# Altium PCB mppt.PcbDoc (part 1 of 5) (continued)
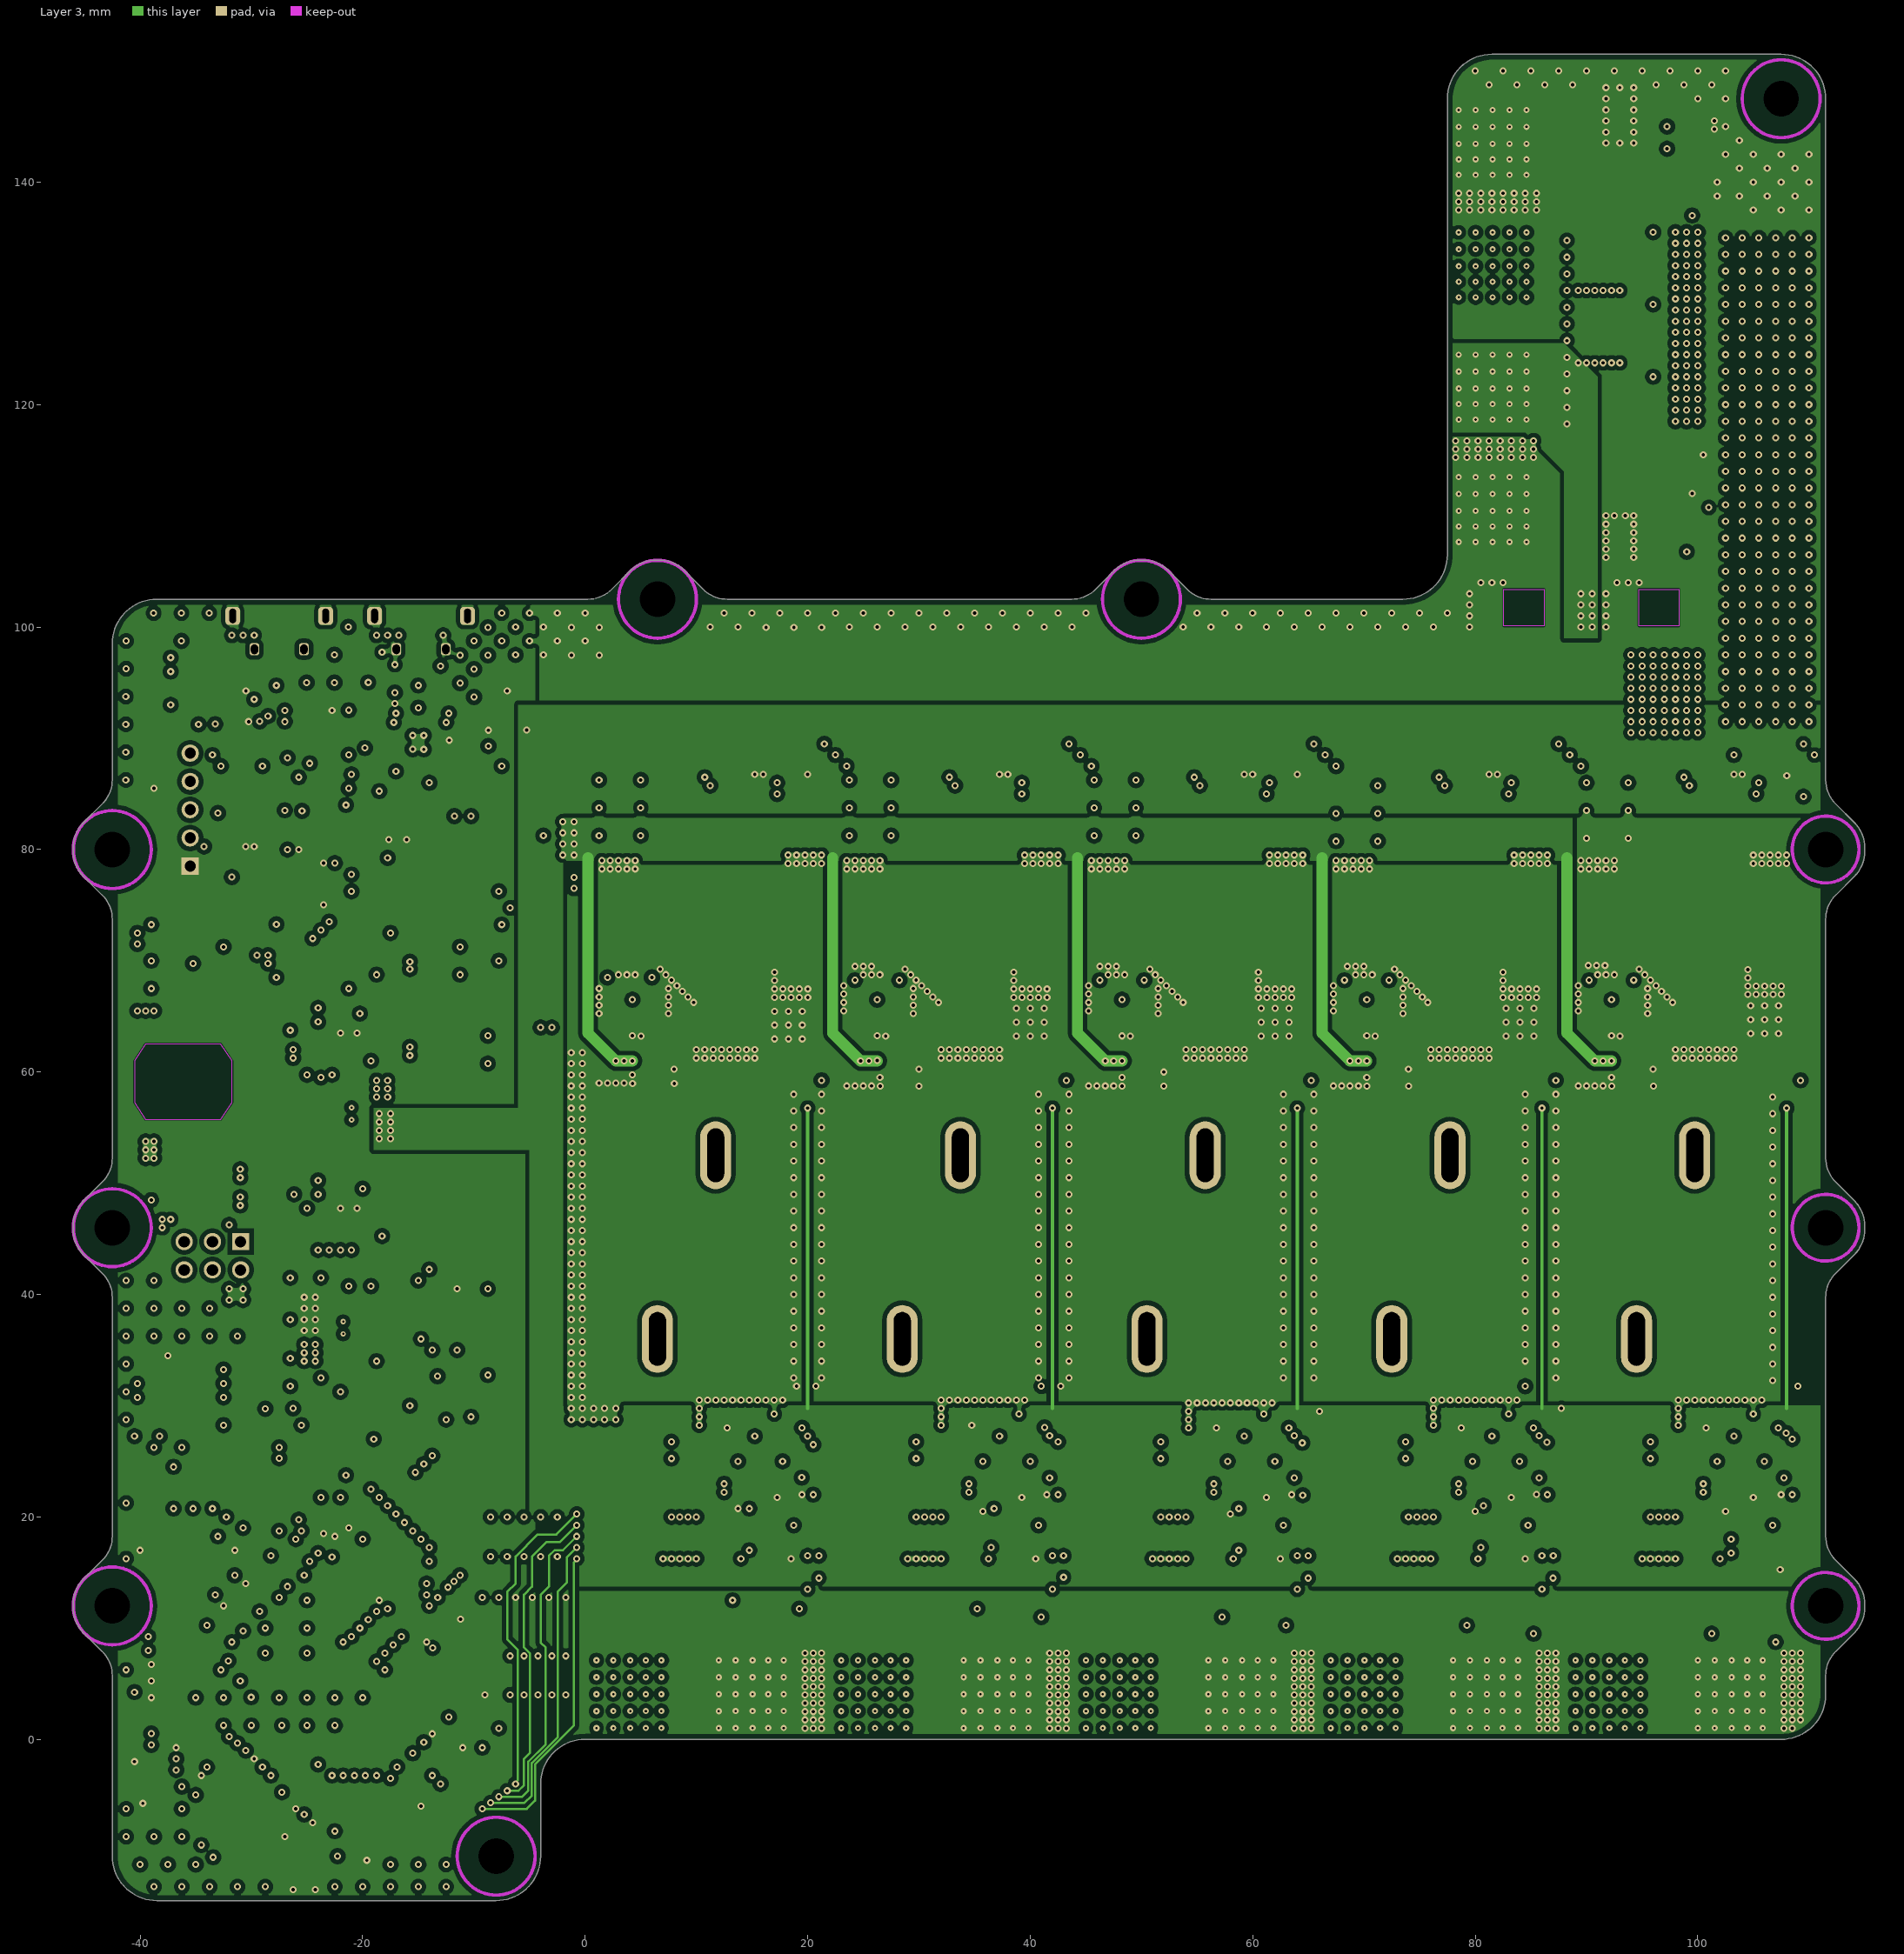
[diagram p4: Layer 3]
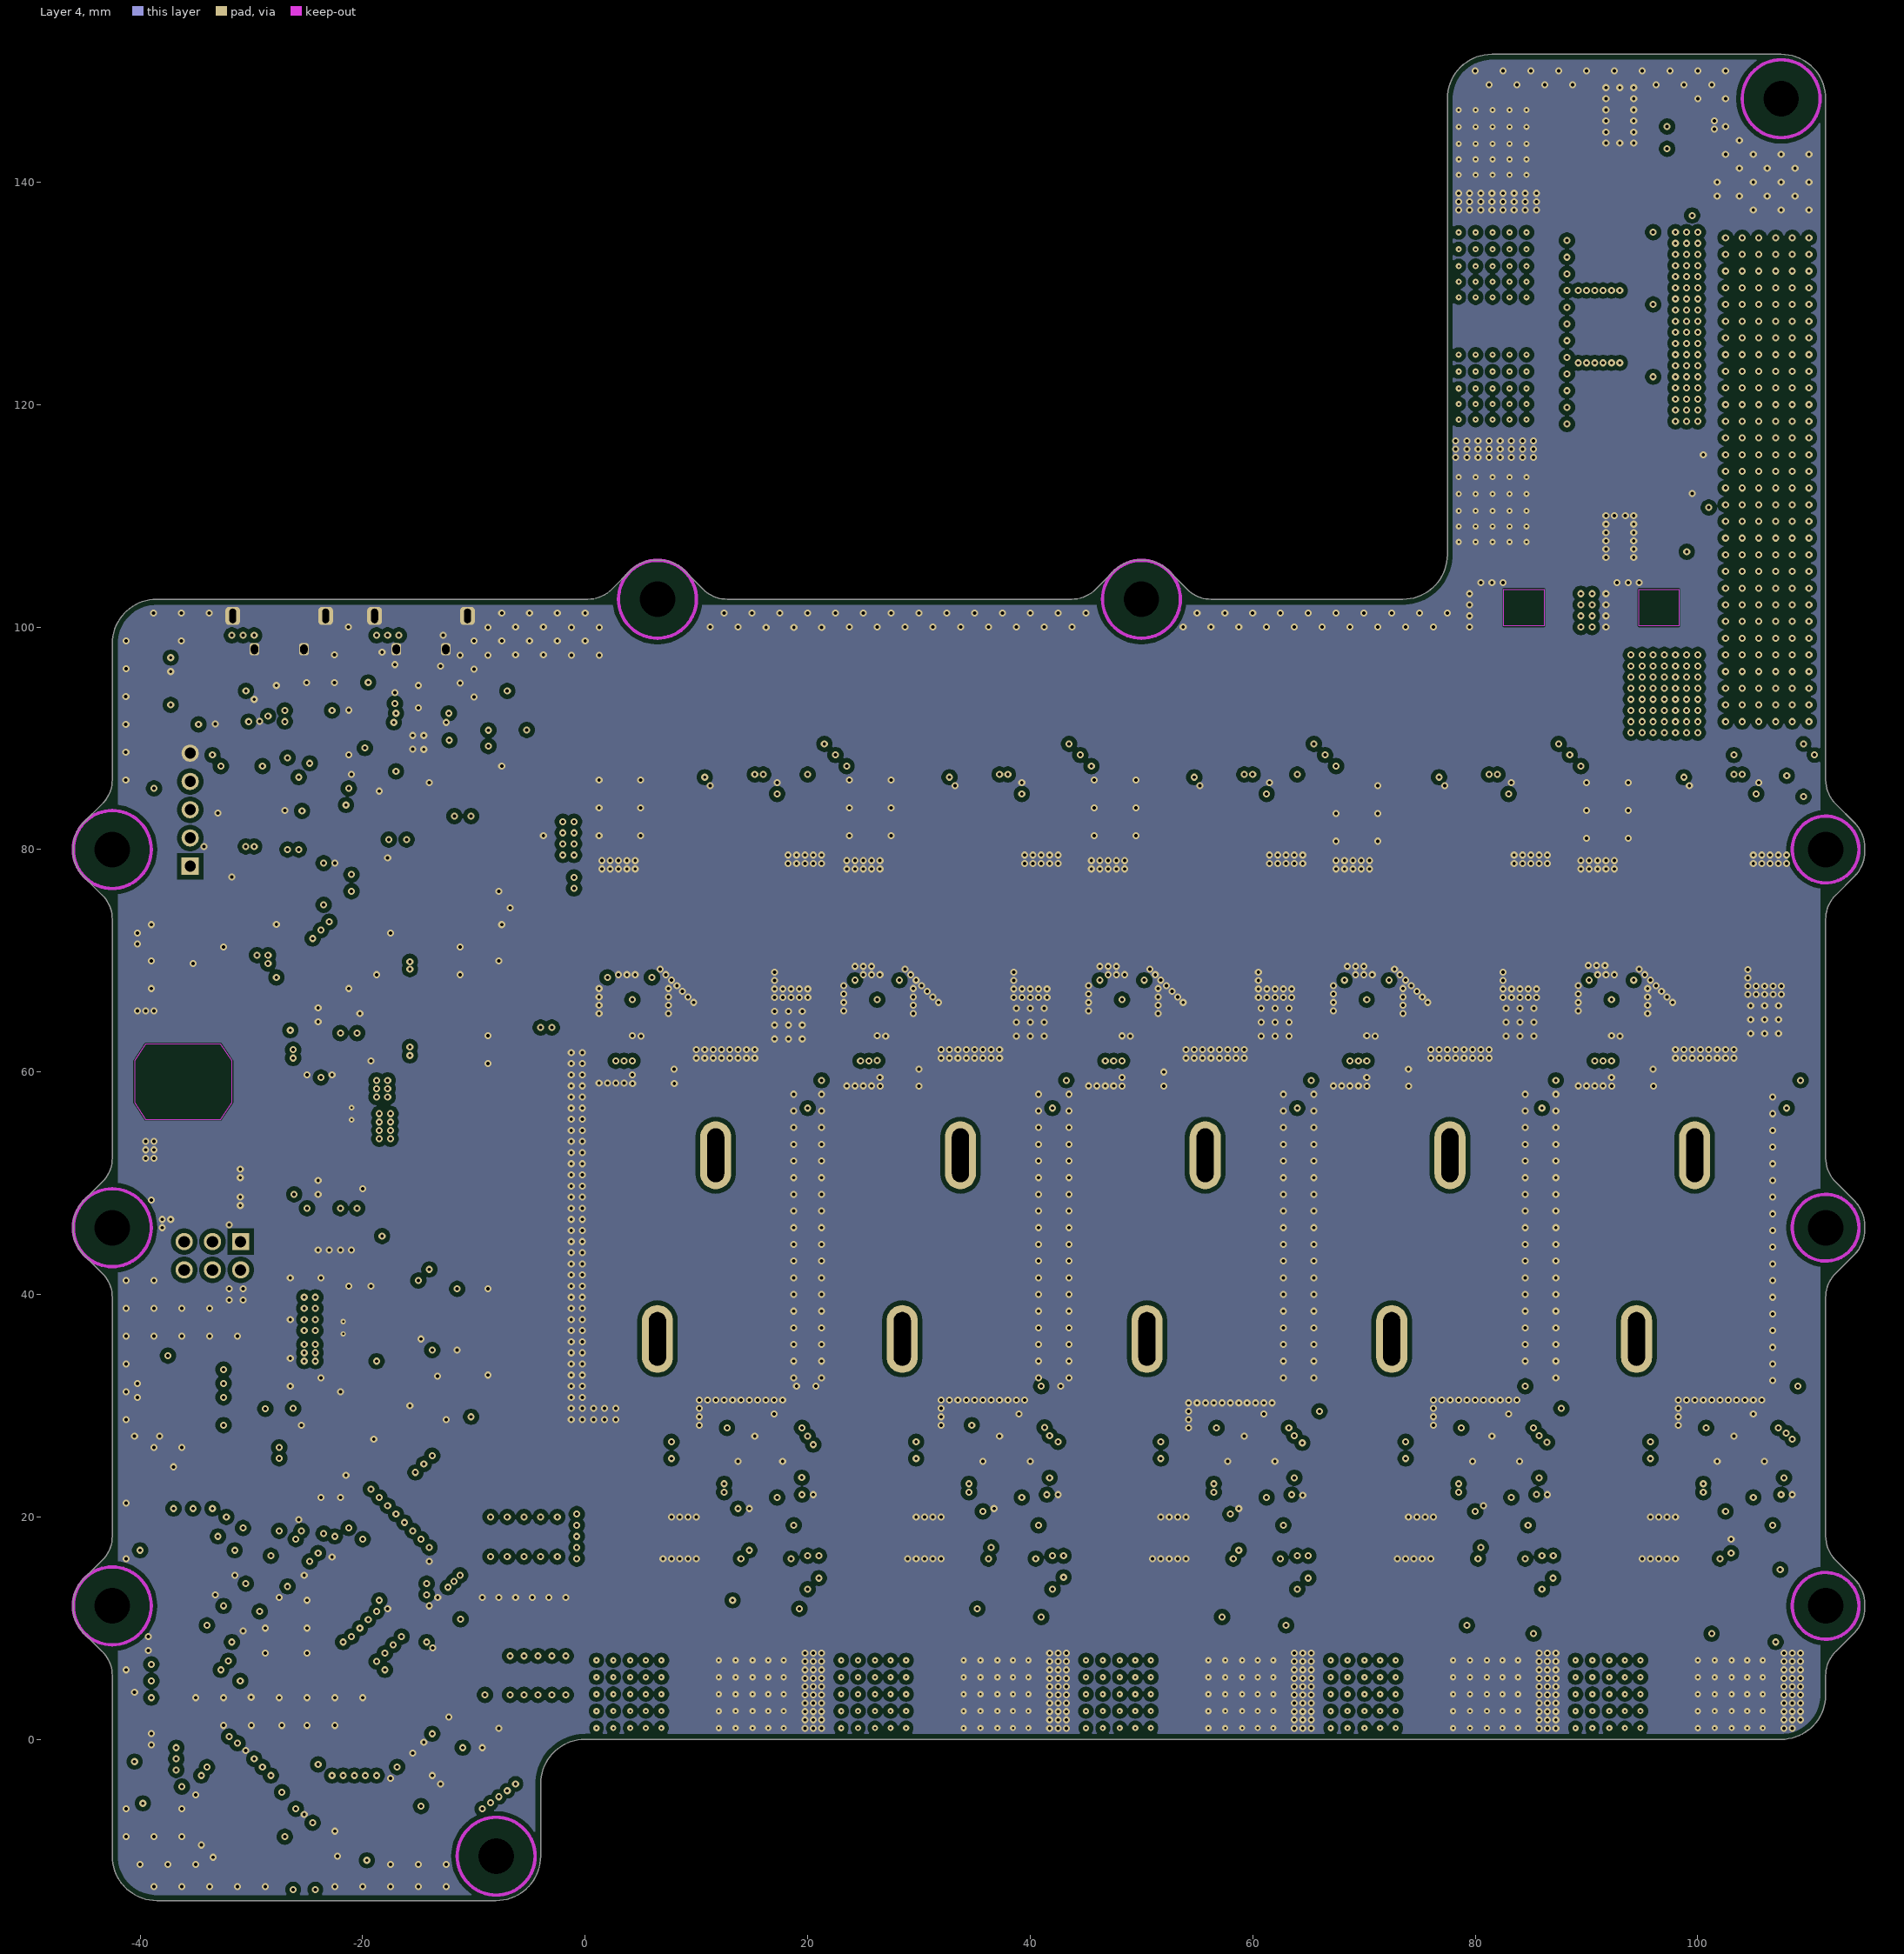
[diagram p5: Layer 4]
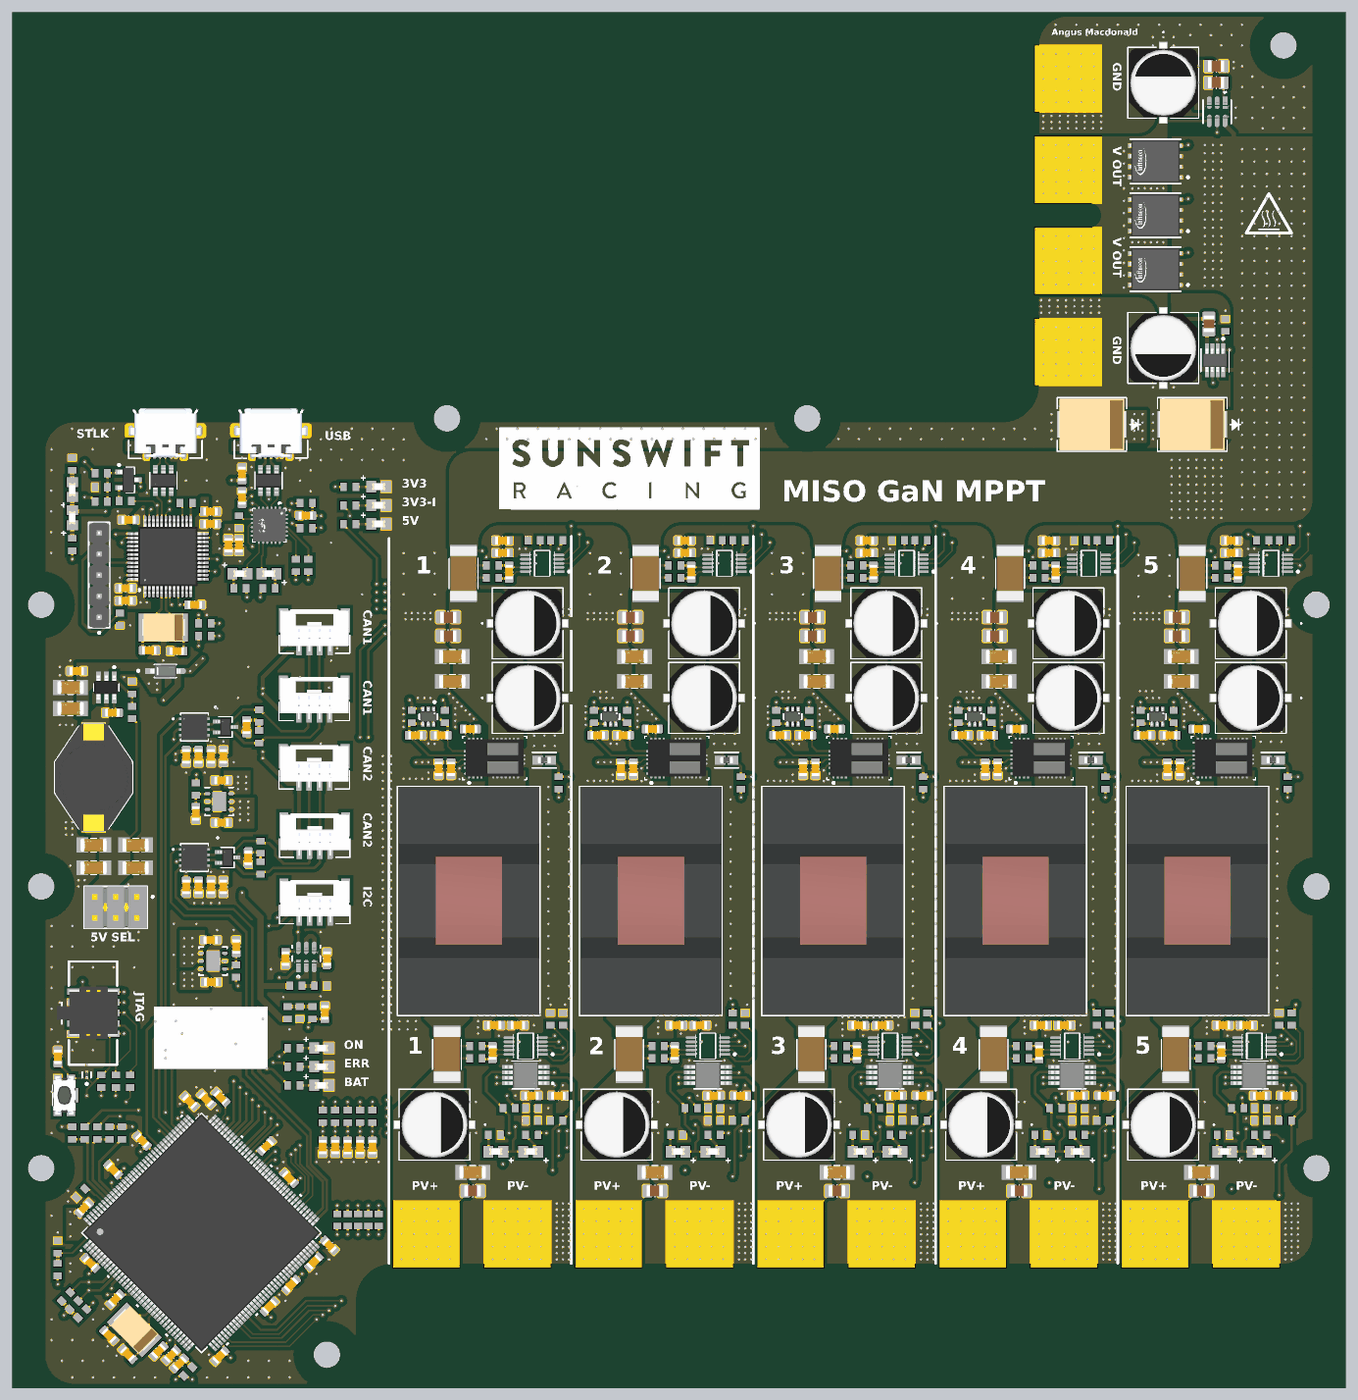
[diagram p10: 3D render of the assembled board from above, using the file's embedded part models]

## Layer stack, top to bottom
Top Solder: solder mask 0.0102, Solder Resist, Dk 3.5
Top Layer: signal copper 0.07
Dielectric 2: prepreg 0.0711, PP-006, Dk 4.1
Layer 1: signal copper 0.0175
Dielectric 4: prepreg 0.0711, PP-006, Dk 4.1
Layer 2: signal copper 0.0175
Dielectric 1: dielectric 0.32, FR-4, Dk 4.8
Layer 3: signal copper 0.0175
Dielectric 5: prepreg 0.0711, PP-006, Dk 4.1
Layer 4: signal copper 0.0175
Dielectric 3: prepreg 0.0711, PP-006, Dk 4.1
Bottom Layer: signal copper 0.07
Bottom Solder: solder mask 0.0102, Solder Resist, Dk 3.5

## Board outline
-45.102,9.602 cw(c-42.934,11.77) -46,11.77 -46,12.23 cw(c-42.934,12.23) -45.102,14.398 -43.398,16.102 ccw(c-45.566,18.27) -42.5,18.27 -42.5,39.73 ccw(c-45.566,39.73) -43.398,41.898 -45.102,43.602 cw(c-42.934,45.77) -46,45.77 -46,46.23 cw(c-42.934,46.23) -45.102,48.398 -43.398,50.102 ccw(c-45.566,52.27) -42.5,52.27 -42.5,73.73 ccw(c-45.566,73.73) -43.398,75.898 -45.102,77.602 cw(c-42.934,79.77) -46,79.77 -46,80.23 cw(c-42.934,80.23) -45.102,82.398 -43.398,84.102 ccw(c-45.566,86.27) -42.5,86.27 -42.5,98.5 cw(c-38.5,98.5) -38.5,102.5 -1,102.5 0.23,102.5 ccw(c0.23,105.566) 2.398,103.398 4.102,105.102 cw(c6.27,102.934) 6.27,106 6.73,106 cw(c6.73,102.934) 8.898,105.102 10.602,103.398 ccw(c12.77,105.566) 12.77,102.5 43.73,102.5 ccw(c43.73,105.566) 45.898,103.398 47.602,105.102 cw(c49.77,102.934) 49.77,106 50.23,106 cw(c50.23,102.934) 52.398,105.102 54.102,103.398 ccw(c56.27,105.566) 56.27,102.5 73.5,102.5 ccw(c73.5,106.5) 77.5,106.5 77.5,147.5 cw(c81.5,147.5) 81.5,151.5 107.5,151.5 cw(c107.5,147.5) 111.5,147.5 111.5,87.5 111.5,86.27 ccw(c114.566,86.27) 112.398,84.102 114.102,82.398 cw(c111.934,80.23) 115,80.23 115,79.77 cw(c111.934,79.77) 114.102,77.602 112.398,75.898 ccw(c114.566,73.73) 111.5,73.73 111.5,52.27 ccw(c114.566,52.27) 112.398,50.102 114.102,48.398 cw(c111.934,46.23) 115,46.23 115,45.77 cw(c111.934,45.77) 114.102,43.602 112.398,41.898 ccw(c114.566,39.73) 111.5,39.73 111.5,18.27 ccw(c114.566,18.27) 112.398,16.102 114.102,14.398 cw(c111.934,12.23) 115,12.23 115,11.77 cw(c111.934,11.77) 114.102,9.602 112.398,7.898 ccw(c114.566,5.73) 111.5,5.73 111.5,4 cw(c107.5,4) 107.5,0 0,0 ccw(c0,-4) -4,-4 -4,-10.5 cw(c-8,-10.5) -8,-14.5 -38.5,-14.5 cw(c-38.5,-10.5) -42.5,-10.5 -42.5,5.73 ccw(c-45.566,5.73) -43.398,7.898

## Design rules (kind name [scope] priority, off if disabled: settings)
Clearance [InNetClass('All Nets')] p1: gap=0.102 ignorepadtopadclearanceinfootprint=FALSE except(0.127: Arc-Via Track-Via SMDPad-Via THPad-Via Via-Via Via-Fill Via-Region Via-Text; 0.4: Arc-Poly Track-Poly SMDPad-Poly THPad-Poly Via-Poly Fill-Poly Poly-Poly)
Clearance ClearanceMidLayer1 [OnLayer('Mid Layer 1') Or IsVia Or IsThruPin vs OnLayer('Mid Layer 1')] p2: gap=0.102 ignorepadtopadclearanceinfootprint=FALSE except(0.127: Arc-Via Track-Via SMDPad-Via THPad-Via Via-Via Via-Fill Via-Poly Via-Region Via-Text)
Clearance ClearanceTopLayer [OnLayer('Top Layer') Or IsVia Or IsThruPin vs OnLayer('Top Layer') Or IsVia Or IsThruPin] p3: gap=0.203 ignorepadtopadclearanceinfootprint=TRUE except(0.102: Arc-Hole Track-Hole SMDPad-Hole THPad-Hole Via-Hole Fill-Hole Poly-Hole Region-Hole Text-Hole)
Clearance ClearanceBottomLayer [OnLayer('Bottom Layer') Or IsVia Or IsThruPin vs OnLayer('Bottom Layer') Or IsVia Or IsThruPin] p4: gap=0.203 ignorepadtopadclearanceinfootprint=FALSE except(0.102: Arc-Hole Track-Hole SMDPad-Hole THPad-Hole Via-Hole Fill-Hole Poly-Hole Region-Hole Text-Hole)
Clearance ClearanceMidLayer2 [OnLayer('Mid Layer 2') Or IsVia Or IsThruPin vs OnLayer('Mid Layer 2')] p5: gap=0.102 ignorepadtopadclearanceinfootprint=FALSE except(0.127: Arc-Via Track-Via SMDPad-Via THPad-Via Via-Via Via-Fill Via-Poly Via-Region Via-Text)
HoleSize [All] p1: absolutevalues=TRUE maxlimit=25.4 minlimit=0.025 maxpercent=80.000 minpercent=20.000
MinimumSolderMaskSliver [All] p1: minsoldermaskwidth=0
PolygonConnect [All] p1: connectstyle=Direct reliefconductorwidth=0.254 reliefentries=4 polygonreliefangle="90 Angle" airgapwidth=0.254
RoomDefinition B2 [InComponentClass('B2')] p1: confinementstyle=ConfineIn formatcopy=TRUE lockcomponents=FALSE outline 19,-0.5 44,-0.5 44,89 19,89
RoomDefinition B1 [InComponentClass('B1')] p2: confinementstyle=ConfineIn formatcopy=TRUE lockcomponents=FALSE outline -3,-0.5 22,-0.5 22,89 -3,89
RoomDefinition B5 [InComponentClass('B5')] p3: confinementstyle=ConfineIn formatcopy=TRUE lockcomponents=FALSE outline 85,-0.5 110,-0.5 110,89 85,89
RoomDefinition B4 [InComponentClass('B4')] p4: confinementstyle=ConfineIn formatcopy=TRUE lockcomponents=FALSE outline 63,-0.5 88,-0.5 88,89 63,89
RoomDefinition B3 [InComponentClass('B3')] p5: confinementstyle=ConfineIn formatcopy=TRUE lockcomponents=FALSE outline 41,-0.5 66,-0.5 66,89 41,89
RoutingVias [All] p1: holewidth=0.2 width=0.45 viastyle="Through Hole" minholewidth=0.2 minwidth=0.45 maxholewidth=6.3 maxwidth=6.55
SilkToSolderMaskClearance [IsPad] p1: minsilkscreentomaskgap=0.203 clearancetoexposedcopper=TRUE
SolderMaskExpansion [All] p1: expansion=0.102 istentingtop=FALSE
SupplyNets "Schematic Supply Nets_10" [InNet('GND')] p1: voltage=0.000
SupplyNets "Schematic Supply Nets_1" [InNet('3V3_INA')] p2: voltage=0.000
SupplyNets "Schematic Supply Nets_8" [InNet('V_BAT')] p3: voltage=0.000
SupplyNets "Schematic Supply Nets_7" [InNet('5V_USB')] p4: voltage=0.000
SupplyNets "Schematic Supply Nets_6" [InNet('V_PV')] p5: voltage=0.000
SupplyNets "Schematic Supply Nets_5" [InNet('V_BUS')] p6: voltage=0.000
SupplyNets "Schematic Supply Nets_4" [InNet('5V_STLINK')] p7: voltage=0.000
SupplyNets "Schematic Supply Nets_2" [InNet('VREF_P')] p8: voltage=0.000
SupplyNets "Schematic Supply Nets" [InNet('5V_REG')] p9: voltage=0.000
SupplyNets "Schematic Supply Nets_3" [InNet('3V3')] p10: voltage=0.000
SupplyNets "Schematic Supply Nets_9" [InNet('5V')] p11: voltage=0.000
Width [All] p1: maxlimit=1816.048 minlimit=0.102 preferedwidth=0.102 toplayer_minwidth=0.203 toplayer_prefwidth=0.203 bottomlayer_minwidth=0.203 bottomlayer_prefwidth=0.203 minimp=50.000000 maximp=50.000000 favimp=50.000000
27 further rules are at their usual default settings.

## Classes and differential pairs
channel class boost_stage_HP: B1 B2 B3 B4 B5
component class U_st_link: C39 C40 C41 C42 C43 C44 C45 C46 CR1 D2 D3 J3 J7 Q1 R35 R36 R37 R38 R39 R40 R41 R42 R43 R44 U2 Y1
component class U_microcontroller: C1 C2 C3 C4 C5 C6 C7 C8 C9 C10 C11 C12 C13 C14 C15 C16 C17 C18 C38 C76 C77 C78 C84 C89 C90 C91 C92 C93 C94 D8 D12 D13 D14 J5 P2 R1 R10 R14 R15 R17 R18 R19 R20 R21 R22 R23 R24 R25 R31 R32 R48 R49 R65 R66 R67 R75 R76 R77 R78 R79 R80 R81 R82 R92 R93 R94 R95 R96 S1 U1 U17 Y2
component class U_auxilliary: C19 C20 C21 C22 C47 C48 C49 C53 C54 C55 C56 C57 C58 C59 C60 C61 C68 C69 C70 C71 C72 C73 C74 C75 C79 C80 C81 C82 C83 CR2 D6 D7 D9 D10 D11 J1 J4 J8 J9 J10 L2 P1 R2 R3 R8 R30 R47 R50 R51 R52 R58 R59 R60 R61 R62 R63 R64 R68 R69 R70 U3 U4 U8 U10 U11 U12 U13 U14
component class top_level: C64 C65 C66 C67 C85 D15 D16 D17 H1 H2 H3 H4 H5 H7 H8 H9 H10 H11 Q2 Q3 Q4 R71 SP3 SP4 SP5 SP6 U9 U15
component class B5: C23_B5 C24_B5 C25_B5 C26_B5 C27_B5 C28_B5 C29_B5 C30_B5 C31_B5 C32_B5 C33_B5 C34_B5 C35_B5 C36_B5 C37_B5 C50_B5 C51_B5 C52_B5 C62_B5 C63_B5 C87_B5 C88_B5 D1_B5 D4_B5 D5_B5 L1_B5 R4_B5 R5_B5 R6_B5 R7_B5 R9_B5 R11_B5 R12_B5 R13_B5 R16_B5 R34_B5 R45_B5 R46_B5 R53_B5 R54_B5 R55_B5 R56_B5 R83_B5 R84_B5 R85_B5 R86_B5 SP1_B5 SP2_B5 U5_B5 U6_B5 U7_B5 U16_B5
component class B4: C23_B4 C24_B4 C25_B4 C26_B4 C27_B4 C28_B4 C29_B4 C30_B4 C31_B4 C32_B4 C33_B4 C34_B4 C35_B4 C36_B4 C37_B4 C50_B4 C51_B4 C52_B4 C62_B4 C63_B4 C87_B4 C88_B4 D1_B4 D4_B4 D5_B4 R4_B4 R5_B4 R6_B4 R7_B4 R9_B4 R11_B4 R12_B4 R13_B4 R16_B4 R34_B4 R45_B4 R46_B4 R53_B4 R54_B4 R55_B4 R56_B4 R83_B4 R84_B4 R85_B4 R86_B4 SP1_B4 SP2_B4 U5_B4 U6_B4 U7_B4 U16_B4
component class B3: C23_B3 C24_B3 C25_B3 C26_B3 C27_B3 C28_B3 C29_B3 C30_B3 C31_B3 C32_B3 C33_B3 C34_B3 C35_B3 C36_B3 C37_B3 C50_B3 C51_B3 C52_B3 C62_B3 C63_B3 C87_B3 C88_B3 D1_B3 D4_B3 D5_B3 L1_B3 R4_B3 R5_B3 R6_B3 R7_B3 R9_B3 R11_B3 R12_B3 R13_B3 R16_B3 R34_B3 R45_B3 R46_B3 R53_B3 R54_B3 R55_B3 R56_B3 R83_B3 R84_B3 R85_B3 R86_B3 SP1_B3 SP2_B3 U5_B3 U6_B3 U7_B3 U16_B3
component class B2: C23_B2 C24_B2 C25_B2 C26_B2 C27_B2 C28_B2 C29_B2 C30_B2 C31_B2 C32_B2 C33_B2 C34_B2 C35_B2 C36_B2 C37_B2 C50_B2 C51_B2 C52_B2 C62_B2 C63_B2 C87_B2 C88_B2 D1_B2 D4_B2 D5_B2 L1_B2 R4_B2 R5_B2 R6_B2 R7_B2 R9_B2 R11_B2 R12_B2 R13_B2 R16_B2 R34_B2 R45_B2 R46_B2 R53_B2 R54_B2 R55_B2 R56_B2 R83_B2 R84_B2 R85_B2 R86_B2 SP1_B2 SP2_B2 U5_B2 U6_B2 U7_B2 U16_B2
component class B1: C23_B1 C24_B1 C25_B1 C26_B1 C27_B1 C28_B1 C29_B1 C30_B1 C31_B1 C32_B1 C33_B1 C34_B1 C35_B1 C36_B1 C37_B1 C50_B1 C51_B1 C52_B1 C62_B1 C63_B1 C87_B1 C88_B1 D1_B1 D4_B1 D5_B1 L1_B1 R4_B1 R5_B1 R6_B1 R7_B1 R9_B1 R11_B1 R12_B1 R13_B1 R16_B1 R34_B1 R45_B1 R46_B1 R53_B1 R54_B1 R55_B1 R56_B1 R83_B1 R84_B1 R85_B1 R86_B1 SP1_B1 SP2_B1 U5_B1 U6_B1 U7_B1 U16_B1

## Components (designator, comment, footprint, x,y, rotation, side; value= is the part's Value field where it differs from the comment)
8 "CAUTION HOT SURFACE" IEC_HotSurface_Small 105.75,127.25 r0 top
9 "CAUTION HOT SURFACE" IEC_HotSurface_Small 93,55 r180 bottom (schematic designator 8)
10 "CAUTION HOT SURFACE" IEC_HotSurface_Small 71,55 r180 bottom (schematic designator 8)
11 "CAUTION HOT SURFACE" IEC_HotSurface_Small 48.5,55 r180 bottom (schematic designator 8)
12 "CAUTION HOT SURFACE" IEC_HotSurface_Small 26.5,55 r180 bottom (schematic designator 8)
13 "CAUTION HOT SURFACE" IEC_HotSurface_Small 4.5,55 r180 bottom (schematic designator 8)
C1 "CC0603KRX7R5BB225" C0603 -20.241,19.991 r135 top value=2.2µF
C2 "CC0603KRX7R5BB225" C0603 -9,1.25 r225 top value=2.2µF
C3 "CC0603MRX7R5BB475" C0603 -34.14,-4.39 r45 top value=4.7µF
C4 "CC0603KRX7R7BB105" C0603 -37.14,1.14 r315 top value=1µF
C5 "CC0603KRX7R7BB105" C0603 -36.741,7.759 r225 top value=1µF
C6 "CC0603KRX7R8BB104" C0603 -34.39,12.39 r315 top value=100nF
C7 "CC0603KRX7R8BB104" C0603 -30.89,15.89 r315 top value=100nF
C8 "CC0603KRX7R8BB104" C0603 -12.89,-2.64 r45 top value=100nF
C9 "CC0603KRX7R8BB104" C0603 -28.89,-10.64 r45 top value=100nF
C10 "CC0603KRX7R8BB104" C0603 -7.11,2.11 r135 top value=100nF
C11 "CC0603KRX7R8BB104" C0603 -25.14,20.64 r315 top value=100nF
C12 "CC0603KRX7R8BB104" C0603 -14.741,15.259 r225 top value=100nF
C13 "CC0603KRX7R8BB104" C0603 -23.14,20.89 r315 top value=100nF
C14 "CC0603KRX7R8BB104" C0603 -21.509,-11.259 r45 top value=100nF
C15 "CC0603KRX7R8BB104" C0603 -14.36,-4.11 r225 top value=100nF
C16 "CC0603KRX7R8BB104" C0603 -13.14,11.39 r315 top value=100nF
C17 "CC0603KRX7R7BB105" C0603 -27.39,-11.14 r45 top value=1µF
C18 "CC0603KRX7R8BB104" C0603 -26.39,-12.14 r45 top value=100nF
C19 "CC0603KRX7R8BB104" C0603 -17.698,64.462 r90 top value=100nF
C20 "CC0603KRX7R7BB105" C0603 -23.5,60.887 r90 top value=1µF
C21 "CC0603KRX7R8BB104" C0603 -25,60.887 r90 top value=100nF
C22 "CC0603KRX7R7BB105" C0603 -22,60.887 r90 top value=1µF
C23_B1 "CC0603KRX7R8BB104" C0603 11.387,29.25 r0 top value=100nF (schematic designator C23)
C23_B2 "CC0603KRX7R8BB104" C0603 33.387,29.25 r0 top value=100nF (schematic designator C23)
C23_B3 "CC0603KRX7R8BB104" C0603 55.387,29.25 r0 top value=100nF (schematic designator C23)
C23_B4 "CC0603KRX7R8BB104" C0603 77.387,29.25 r0 top value=100nF (schematic designator C23)
C23_B5 "CC0603KRX7R8BB104" C0603 99.387,29.25 r0 top value=100nF (schematic designator C23)
C24_B1 "CC0603KRX7R8BB104" C0603 12.387,87.75 r0 top value=100nF (schematic designator C24)
C24_B2 "CC0603KRX7R8BB104" C0603 34.387,87.75 r0 top value=100nF (schematic designator C24)
C24_B3 "CC0603KRX7R8BB104" C0603 56.387,87.75 r0 top value=100nF (schematic designator C24)
C24_B4 "CC0603KRX7R8BB104" C0603 78.387,87.75 r0 top value=100nF (schematic designator C24)
C24_B5 "CC0603KRX7R8BB104" C0603 100.387,87.75 r0 top value=100nF (schematic designator C24)
C25_B1 "CC0603KRX7R8BB104" C0603 7,59.387 r90 top value=100nF (schematic designator C25)
C25_B2 "CC0603KRX7R8BB104" C0603 29,59.387 r90 top value=100nF (schematic designator C25)
C25_B3 "CC0603KRX7R8BB104" C0603 51,59.387 r90 top value=100nF (schematic designator C25)
C25_B4 "CC0603KRX7R8BB104" C0603 73,59.387 r90 top value=100nF (schematic designator C25)
C25_B5 "CC0603KRX7R8BB104" C0603 95,59.387 r90 top value=100nF (schematic designator C25)
C26_B1 "CC0603KRX7R8BB104" C0603 8.487,65 r0 top value=100nF (schematic designator C26)
C26_B2 "CC0603KRX7R8BB104" C0603 30.487,65 r0 top value=100nF (schematic designator C26)
C26_B3 "CC0603KRX7R8BB104" C0603 52.487,65 r0 top value=100nF (schematic designator C26)
C26_B4 "CC0603KRX7R8BB104" C0603 74.487,65 r0 top value=100nF (schematic designator C26)
C26_B5 "CC0603KRX7R8BB104" C0603 96.487,65 r0 top value=100nF (schematic designator C26)
C27_B1 "CC0603JRNPO9BN221" C0603 4.987,64.25 r0 top value=220pF (schematic designator C27)
C27_B2 "CC0603JRNPO9BN221" C0603 26.987,64.25 r0 top value=220pF (schematic designator C27)
C27_B3 "CC0603JRNPO9BN221" C0603 48.987,64.25 r0 top value=220pF (schematic designator C27)
C27_B4 "CC0603JRNPO9BN221" C0603 70.987,64.25 r0 top value=220pF (schematic designator C27)
C27_B5 "CC0603JRNPO9BN221" C0603 92.987,64.25 r0 top value=220pF (schematic designator C27)
C28_B1 "CC0603JRNPO9BN221" C0603 3.513,64.25 r180 top value=220pF (schematic designator C28)
C28_B2 "CC0603JRNPO9BN221" C0603 25.513,64.25 r180 top value=220pF (schematic designator C28)
C28_B3 "CC0603JRNPO9BN221" C0603 47.513,64.25 r180 top value=220pF (schematic designator C28)
C28_B4 "CC0603JRNPO9BN221" C0603 69.513,64.25 r180 top value=220pF (schematic designator C28)
C28_B5 "CC0603JRNPO9BN221" C0603 91.513,64.25 r180 top value=220pF (schematic designator C28)
C29_B1 "CC1206KKX7R0BB225" FP-CC1206-1_25-IPC_B 7.15,73.75 r180 top value=2.2µF (schematic designator C29)
C29_B2 "CC1206KKX7R0BB225" FP-CC1206-1_25-IPC_B 29.15,73.75 r180 top value=2.2µF (schematic designator C29)
C29_B3 "CC1206KKX7R0BB225" FP-CC1206-1_25-IPC_B 51.15,73.75 r180 top value=2.2µF (schematic designator C29)
C29_B4 "CC1206KKX7R0BB225" FP-CC1206-1_25-IPC_B 73.15,73.75 r180 top value=2.2µF (schematic designator C29)
C29_B5 "CC1206KKX7R0BB225" FP-CC1206-1_25-IPC_B 95.15,73.75 r180 top value=2.2µF (schematic designator C29)
C30_B1 "CC1206KKX7R0BB225" FP-CC1206-1_25-IPC_B 7.15,70.75 r180 top value=2.2µF (schematic designator C30)
C30_B2 "CC1206KKX7R0BB225" FP-CC1206-1_25-IPC_B 29.15,70.75 r180 top value=2.2µF (schematic designator C30)
C30_B3 "CC1206KKX7R0BB225" FP-CC1206-1_25-IPC_B 51.15,70.75 r180 top value=2.2µF (schematic designator C30)
C30_B4 "CC1206KKX7R0BB225" FP-CC1206-1_25-IPC_B 73.15,70.75 r180 top value=2.2µF (schematic designator C30)
C30_B5 "CC1206KKX7R0BB225" FP-CC1206-1_25-IPC_B 95.15,70.75 r180 top value=2.2µF (schematic designator C30)
C31_B1 "EEEFK2A220P" CAP_EEE-FK2A220P_PAN 16.251,68.75 r180 top value=22µF (schematic designator C31)
C31_B2 "EEEFK2A220P" CAP_EEE-FK2A220P_PAN 37.551,68.75 r180 top value=22µF (schematic designator C31)